# Altium PCB betrusted_dvt1b-dfm.PcbDoc (part 2 of 6)
Units mm, origin at the board's own origin, x right, y up, seen from the top; angles counter-clockwise.
Board outline 62.8 x 53.83 mm, 6 copper layers (L1, L2, L3, L6, L7, L8), stack 0.693 mm thick; 407 components, 299 nets, 1950 pads, 2038 vias.
Unrouted connection lines stored in the file: 1.
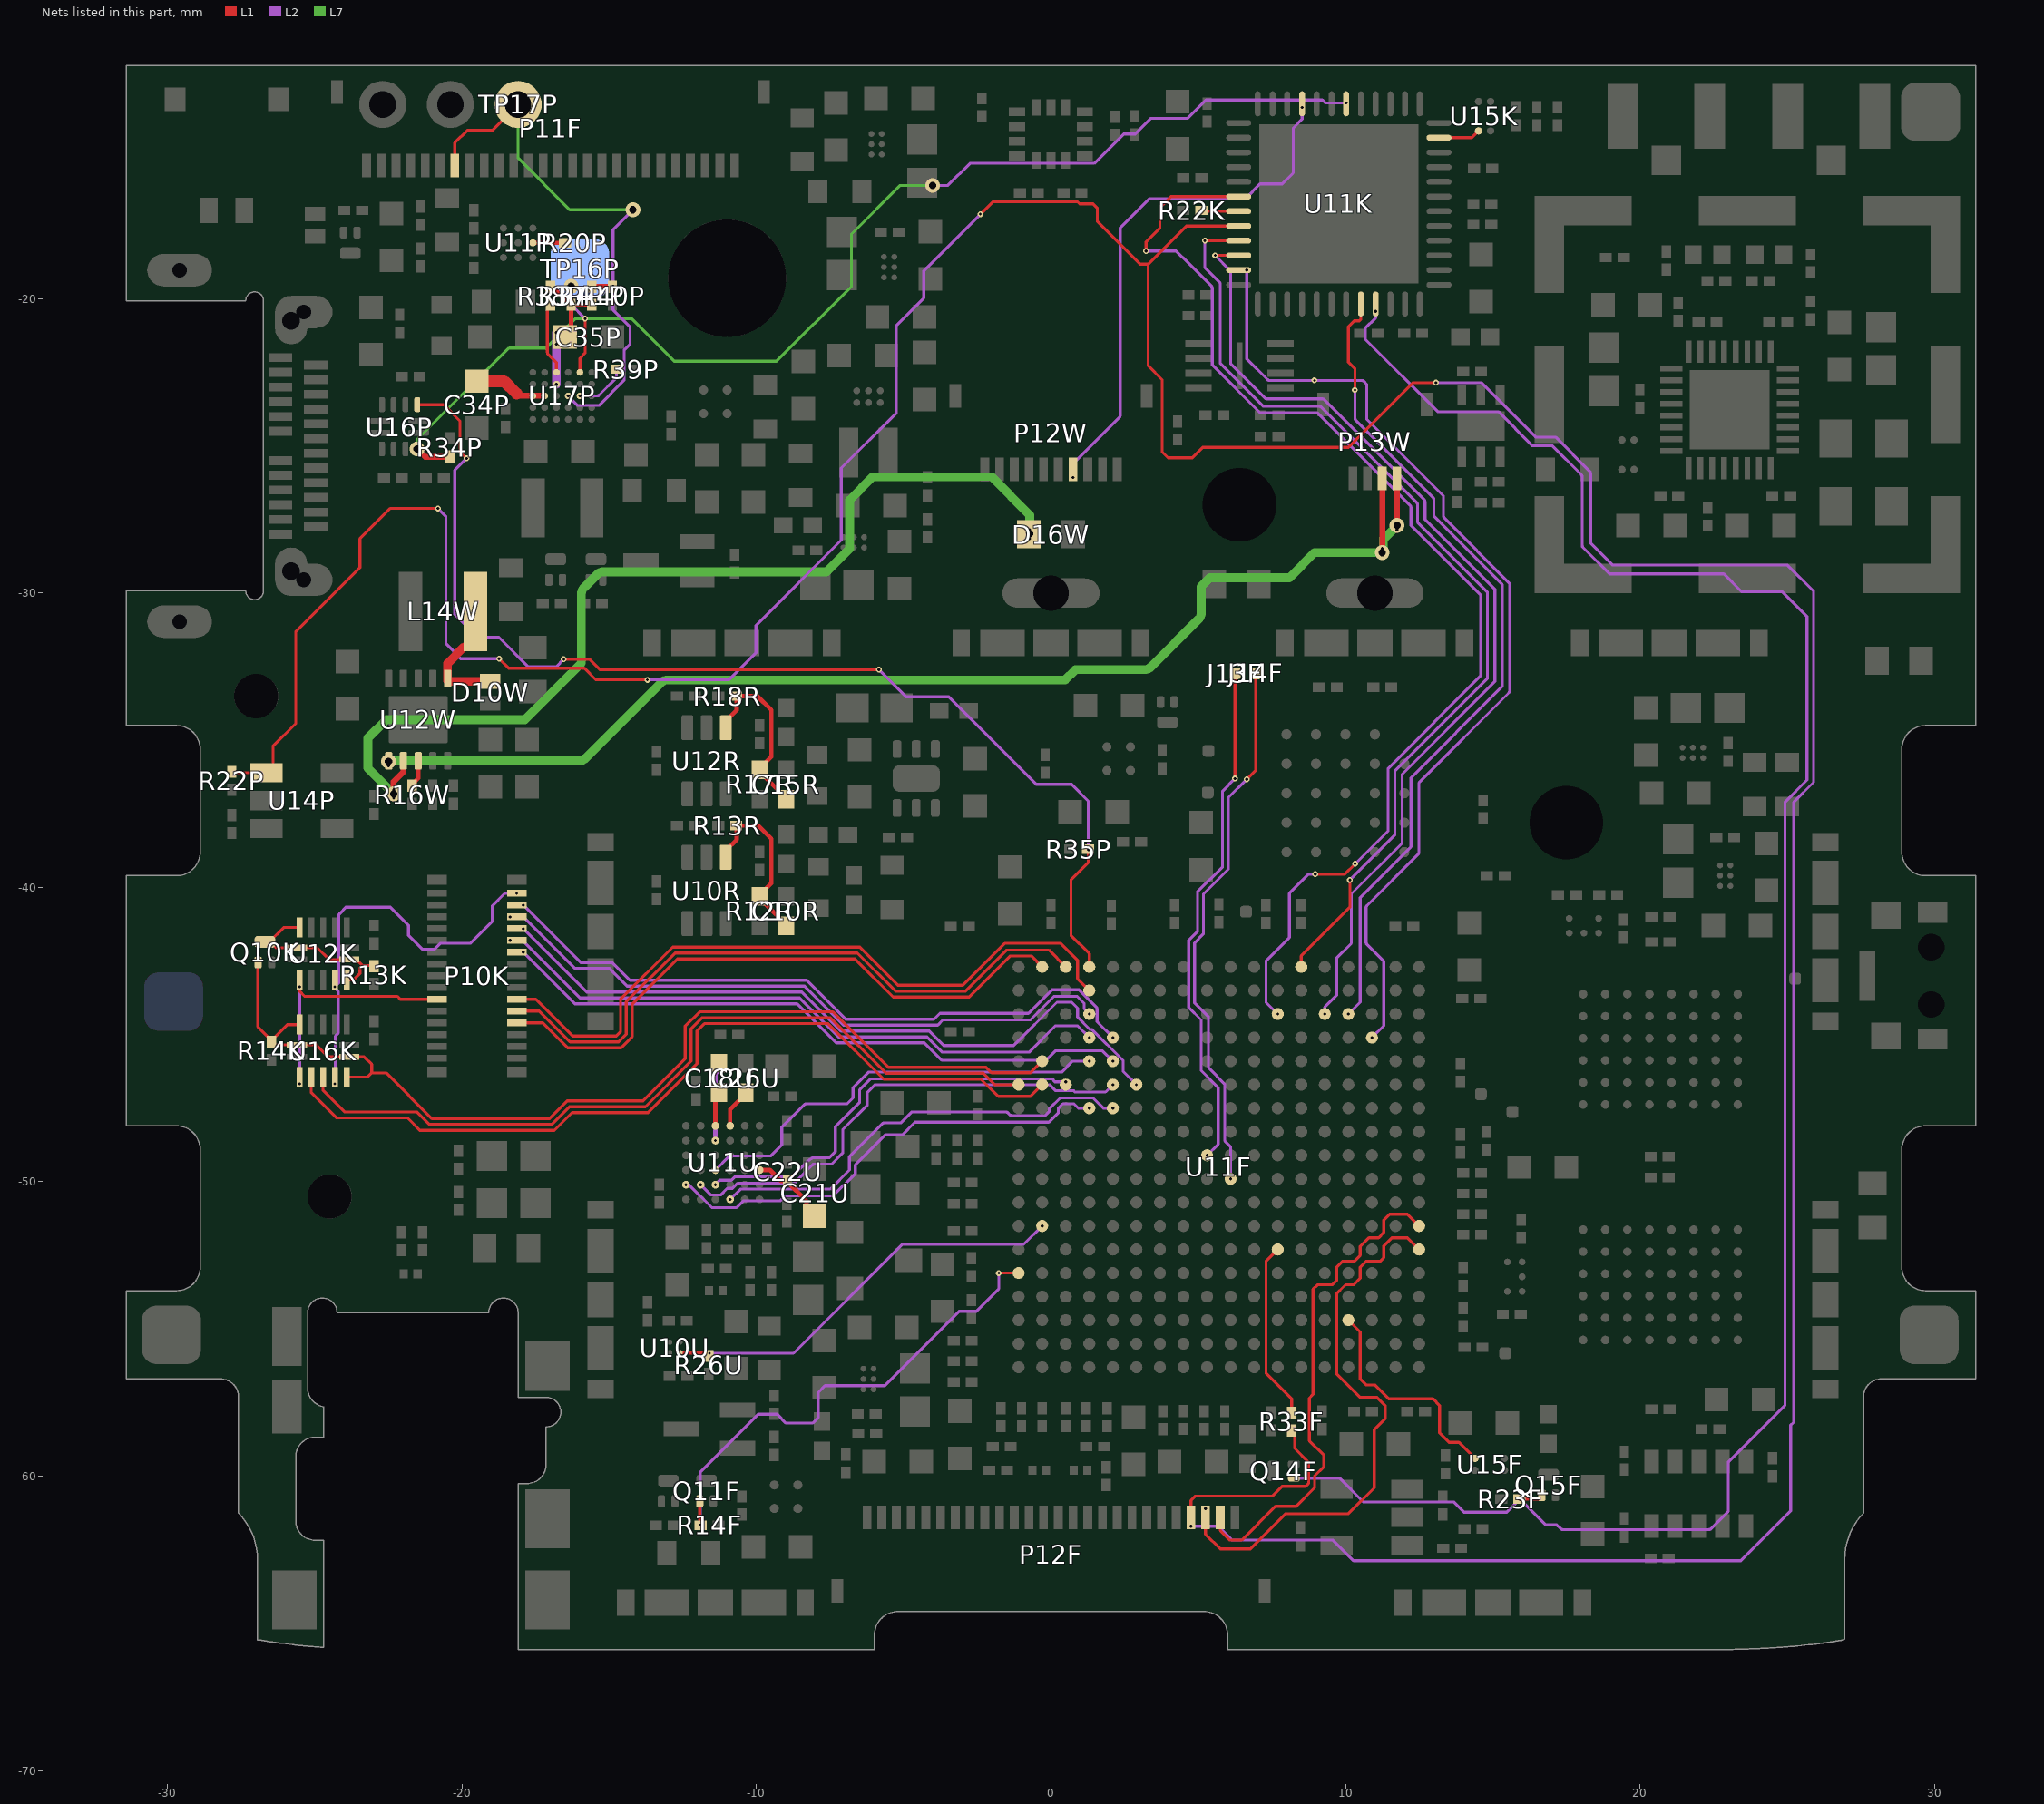
[diagram p6: the nets of this part, all layers, seen from the top]

## Footprints (in the part's own frame and the unit in brackets; to place one, negate y for a bottom-side part, rotate by r counter-clockwise, add the part's x,y. Pads: shape width x height; smd on the part's side, far side on the other; paste and mask are expansions set on the pad) (continued)
D_X3DFN2_0201 [mm] "Molded Diode, 2-Leads, Body 0.62x0.32mm, IPC Medium Density"
  rect 0.28x0.3 smd paste-1 mask+0: 1(-0.235,0) 2(0.235,0)
  silkscreen extent 0.58,-0.05 0.68,0.05, body extent -0.52,-0.18 0.52,0.18, height 0.45
DCK0006A_N [mm] "SOT23, 6-Leads, Body 2.15x1.4mm, Pitch 0.65mm, IPC Medium Density"
  rrect25% 0.85x0.4 smd: 1(-1.125,0.65) 2(-1.125,0) 3(-1.125,-0.65) 4(1.125,-0.65) 5(1.125,0) 6(1.125,0.65)
  silkscreen extent -1.25,-1.1 0.3,1.53, body extent -1.14,-1 1.14,1, height 0.94
DSC0010A_V [mm] "SON, 10-Leads, Body 3x3mm, Pitch 0.5mm, Thermal Pad 2.0x1.6mm, TI Recommended"
  rrect40% 0.6x0.25 smd: 1(-1.4,1) 2(-1.4,0.5) 3(-1.4,0) 4(-1.4,-0.5) 5(-1.4,-1) 6(1.4,-1) 7(1.4,-0.5) 8(1.4,0) 9(1.4,0.5) 10(1.4,1)
  rrect6% 1.6x2 smd paste-0.825: 11(0,0)
  silkscreen extent -1.7,-1.7 1.7,1.7, body extent -1.55,-1.55 1.55,1.55, height 0.8
HRS_DF40C-30DP-0.4V(51) [mm] "0.4mm Pitch, Board to Board Connector"
  rect 0.35x0.66 smd mask+0.04: 0(-3.26,-1.355) 0(-3.26,1.355) 0(3.26,1.355) 0(3.26,-1.355)
  rect 0.23x0.66 smd mask+0.04: 1(-2.8,-1.355) 2(-2.4,-1.355) 3(-2,-1.355) 4(-1.6,-1.355) 5(-1.2,-1.355) 6(-0.8,-1.355) 7(-0.4,-1.355) 8(0,-1.355) 9(0.4,-1.355) 10(0.8,-1.355) 11(1.2,-1.355) 12(1.6,-1.355) 13(2,-1.355) 14(2.4,-1.355) 15(2.8,-1.355) 16(-2.8,1.355) 17(-2.4,1.355) 18(-2,1.355) 19(-1.6,1.355) 20(-1.2,1.355) 21(-0.8,1.355) 22(-0.4,1.355) 23(0,1.355) 24(0.4,1.355) 25(0.8,1.355) 26(1.2,1.355) 27(1.6,1.355) 28(2,1.355) 29(2.4,1.355) 30(2.8,1.355)
  silkscreen extent -3.75,-1.93 3.75,1.5, body extent -3.76,-1.48 3.76,1.49, height 1.13
HRS_FH34SRJ-4S-0.5SH(50) [mm] "Top/bottom entry, back-lock 0.3mm thick FPC, 4 pins"
  rect 0.4x0.8 smd mask+0.07: 0(-1.75,-2.5) 0(1.75,-2.5)
  rect 0.3x0.8 smd mask+0.07: 1(0.75,0) 2(0.25,0) 3(-0.25,0) 4(-0.75,0)
  silkscreen extent -2,-3.03 2,0.77, body extent -2,-3.02 2,0.78, height 1
HRS_FH34SRJ-10S-0.5SH(50) [mm] "Top/bottom entry, back-lock 0.3mm thick FPC, 10 pins"
  rect 0.4x0.8 smd mask+0.07: 0(-3.25,-2.5) 0(3.25,-2.5)
  rect 0.3x0.8 smd mask+0.07: 1(2.25,0) 2(1.75,0) 3(1.25,0) 4(0.75,0) 5(0.25,0) 6(-0.25,0) 7(-0.75,0) 8(-1.25,0) 9(-1.75,0) 10(-2.25,0)
  silkscreen extent -3.5,-3.03 3.5,0.77, body extent -3.5,-3.02 3.5,0.78, height 1
HRS_FH34SRJ-26S-0.5SH(50) [mm] "Top/bottom entry, back-lock 0.3mm thick FPC, 26 pins"
  rect 0.4x0.8 smd mask+0.07: 0(-7.25,-2.5) 0(7.25,-2.5)
  rect 0.3x0.8 smd mask+0.07: 1(6.25,0) 2(5.75,0) 3(5.25,0) 4(4.75,0) 5(4.25,0) 6(3.75,0) 7(3.25,0) 8(2.75,0) 9(2.25,0) 10(1.75,0) 11(1.25,0) 12(0.75,0) 13(0.25,0) 14(-0.25,0) 15(-0.75,0) 16(-1.25,0) 17(-1.75,0) 18(-2.25,0) 19(-2.75,0) 20(-3.25,0) 21(-3.75,0) 22(-4.25,0) 23(-4.75,0) 24(-5.25,0) 25(-5.75,0) 26(-6.25,0)
  silkscreen extent -7.5,-3.03 7.5,0.77, body extent -7.5,-3.02 7.5,0.78, height 1
HRS_U.FL [mm] "6 GHz U.FL connector (ISM band antennas)"
  rect 1.05x2.2 smd: GND(-1.475,0) GND(1.475,0)
  rect 1x1 smd: SIG(0,-1.5)
  silkscreen extent -1.5,-1.6 1.5,1.5, body extent -1.5,-1.6 1.5,1.5, height 1.24
INDC1608AN [mm] "Chip Inductor, Body 1.6x0.8mm, IPC Medium Density"
  rect 1.1x1 smd: 1(-0.75,0) 2(0.75,0)
  body extent -0.9,-0.5 0.9,0.5, height 1
LGA-14_2500X3000X860_N [mm] "LGA, 14-Leads, Body 3.10x2.60mm, Pitch 0.50mm, IPC Medium Density"
  rect 0.55x0.3 smd: 1(-1.15,0.75) 2(-1.15,0.25) 3(-1.15,-0.25) 4(-1.15,-0.75) 8(1.15,-0.75) 9(1.15,-0.25) 10(1.15,0.25) 11(1.15,0.75)
  rect 0.3x0.55 smd: 5(-0.5,-0.9) 6(0,-0.9) 7(0.5,-0.9) 12(0.5,0.9) 13(0,0.9) 14(-0.5,0.9)
  silkscreen extent -2.12,1.63 -1.88,1.87, body extent -1.55,-1.3 1.55,1.3, height 0.86
MOLEX_0781710002 [mm] "Pico-EZmate 78171 2-pins"
  rect 0.7x0.8 smd mask+0.07: 0(-1.75,-3.775) 0(1.75,-3.775)
  rect 0.6x0.85 smd mask+0.07: 1(-0.6,0) 2(0.6,0)
  silkscreen extent -2.1,-4.38 2.1,0.15, body extent -2.1,-4.37 2.1,0.16, height 1.44
ONSC-SOT-23-3-318-08_V [mm] "SOT23, 3-Leads, Body 2.92x1.3mm, Pitch 0.95mm"
  rect 0.9x0.8 smd: 1(-1,0.95) 2(-1,-0.95) 3(1,0)
  silkscreen extent -1.12,-1.46 0.65,2.02, body extent -0.65,-1.46 0.65,1.46, height 1.11
QFN40P160X160X40-12N [mm] "QFN, 12-Leads, Body 1.60x1.60mm, Pitch 0.40mm, IPC Medium Density"
  rrect50% 0.7x0.2 smd mask+0.05: 1(-0.65,0.2) 2(-0.65,-0.2) 7(0.65,-0.2) 8(0.65,0.2)
  rrect50% 0.2x0.5 smd mask+0.05: 3(-0.6,-0.75) 4(-0.2,-0.75) 5(0.2,-0.75) 6(0.6,-0.75) 9(0.6,0.75) 10(0.2,0.75) 11(-0.2,0.75) 12(-0.6,0.75)
  silkscreen extent -1.25,0.7 -1.15,0.8, body extent -0.81,-0.81 0.81,0.81, height 0.4
QFN40P200X200X40-14L [mm] "QFN, 14-Leads, Body 2.00x2.00mm, Pitch 0.40mm, IPC High Density"
  rect 0.2x0.68 smd mask+0.05: 1(-0.8,-0.89) 2(-0.4,-0.89) 3(0,-0.89) 4(0.4,-0.89) 5(0.8,-0.89) 8(0.8,0.89) 9(0.4,0.89) 10(0,0.89) 11(-0.4,0.89) 12(-0.8,0.89)
  rect 0.68x0.2 smd mask+0.05: 6(0.89,-0.2) 7(0.89,0.2) 13(-0.89,0.2) 14(-0.89,-0.2)
  silkscreen extent -1.17,-1.52 -1.08,-1.43, body extent -1,-1 1,1, height 0.4
QFN40P400X400X90_HS-33N [mm] "QFN, 32-Leads, Body 4.00x4.00mm, Pitch 0.40mm, Thermal Pad 2.70x2.70mm, IPC Medium Density"
  rect 0.76x0.2 smd mask+0.06: 1(-1.98,1.4) 2(-1.98,1) 3(-1.98,0.6) 4(-1.98,0.2) 5(-1.98,-0.2) 6(-1.98,-0.6) 7(-1.98,-1) 8(-1.98,-1.4) 17(1.98,-1.4) 18(1.98,-1) 19(1.98,-0.6) 20(1.98,-0.2) 21(1.98,0.2) 22(1.98,0.6) 23(1.98,1) 24(1.98,1.4)
  rect 0.2x0.76 smd mask+0.06: 9(-1.4,-1.98) 10(-1,-1.98) 11(-0.6,-1.98) 12(-0.2,-1.98) 13(0.2,-1.98) 14(0.6,-1.98) 15(1,-1.98) 16(1.4,-1.98) 25(1.4,1.98) 26(1,1.98) 27(0.6,1.98) 28(0.2,1.98) 29(-0.2,1.98) 30(-0.6,1.98) 31(-1,1.98) 32(-1.4,1.98)
  rect 2.7x2.7 smd mask+0.07: 33(0,0)
  silkscreen extent -2.98,-2.2 2.2,2.2, body extent -2.05,-2.05 2.05,2.05, height 0.9
RESTAP-0603 [mm] "0603 Power tap, cut-trace style"
  rect 0.65x0.8 smd: 1(-0.75,0) 1(0.75,0)
  L1 region: -0.5,-0.2 0.5,-0.2 0.5,0.2 -0.5,0.2
  body extent -0.8,-0.4 0.8,0.4, height 0.8
SiTIME_CSP [mm] "SiTIME CSP"
  round 0.25 smd mask+0.05: 1(-0.205,0.5) 2(-0.205,-0.5) 3(0.205,-0.5) 4(0.205,0.5)
  silkscreen extent -0.58,0.83 -0.48,0.92, body extent -0.42,-0.77 0.42,0.77, height 0.6
SOD523 [mm] "SODFL, 2-Leads, Body 0.80x1.60mm, IPC Medium Density"
  rect 0.6x0.7 smd mask+0.07: 1(-0.7,0) 2(0.7,0)
  silkscreen extent 0.95,-0.4 1.25,0.65, body extent -0.8,-0.45 0.8,0.45, height 0.65
SON65P200X80_HS-7N [mm] "SON, 6-Leads, Body 2.00x2.00mm, Pitch 0.65mm, Thermal Pad 1.60x0.89mm, IPC Medium Density"
  rrect50% 0.9x0.7 on Top Paste: 0(0,0.42) 0(0,-0.42)
  rrect50% 0.6x0.3 smd mask+0.07: 1(-1,0.65) 2(-1,0) 3(-1,-0.65) 4(1,-0.65) 5(1,0) 6(1,0.65)
  rrect50% 0.9x1.6 smd paste-0.5 mask+0.07: 7(0,0)
  silkscreen extent -1.5,-1.2 1.05,1.25, body extent -1.13,-1.05 1.13,1.05, height 0.8
SOT23-5AN [mm] "SOT23, 5-Leads, Body 2.9x1.6mm, Pitch 0.95mm, Lead Span 2.8mm, IPC Medium Density"
  rect 1.1x0.65 smd mask+0.075: 1(-1.2,0.95) 2(-1.2,0) 3(-1.2,-0.95) 4(1.2,-0.95) 5(1.2,0.95)
  silkscreen extent -1.33,-1.55 0.25,1.95, body extent -0.9,-1.55 0.9,1.55, height 1.45
SOT323-3AN [mm] "SOT323, 3-Leads, Body 2.0x1.3mm, Pitch 0.65mm, Lead Span 2.1mm, IPC Medium Density"
  rect 1.2x0.5 smd: 1(-0.95,0.65) 2(-0.95,-0.65) 3(0.95,0)
  silkscreen extent -1.07,-1.1 0.7,1.57, body extent -0.7,-1.1 0.7,1.1, height 1
SOT883 [mm] "DFN, 3-Leads, Body 0.59x0.99mm, Pitch 0.65mm, IPC Medium Density"
  rrect50% 0.4x0.25 smd paste-0.02 mask+0.05: 1(-0.35,0.23) 2(-0.35,-0.23)
  rrect50% 0.4x0.7 smd paste-0.05 mask+0.05: 3(0.35,0)
  silkscreen extent -0.56,0.66 -0.46,0.76, body extent -0.51,-0.31 0.51,0.31, height 0.5
TE_1-2295018-2 [mm] "USB-C receptacle 24 position board cutout"
  oval 1.1x1.95 hole 0.5 slot 1.45 at 90 deg mask+0.07: 0(-4.55,4.22) 0(4.55,4.22)
  oval 1.6x1.1 hole 0.6 slot 1.1 at 0 deg mask+0.07: 0(-4.25,3.792) 0(4.25,3.792)
  rect 0.3x0.8 smd mask+0.07: A1(-2.75,4.63) A2(-2.25,4.63) A3(-1.75,4.63) A4(-1.25,4.63) A5(-0.75,4.63) A6(-0.25,4.63) A7(0.25,4.63) A8(0.75,4.63) A9(1.25,4.63) A10(1.75,4.63) A11(2.25,4.63) A12(2.75,4.63) B1(3,3.43) B2(2.5,3.43) B3(2,3.43) B4(1.5,3.43) B5(1,3.43) B6(0.5,3.43) B7(-0.5,3.43) B8(-1,3.43) B9(-1.5,3.43) B10(-2,3.43) B11(-2.5,3.43) B12(-3,3.43)
  oval 1.1x2.2 hole 0.5 slot 1.6 at 90 deg mask+0.07: MID(-5.97,0) MID(5.97,0)
  silkscreen extent -6.07,-3.2 6.07,4.9, body extent -6.07,-3.2 6.07,4.9, height 2.45
TI-DRV6-1600X1000TP_V [mm] "SON, 6-Leads, Body 2x2mm, Pitch 0.65mm, Thermal Pad 1X1.6mm"
  rect 0.7x0.3 smd: 1(-1.05,0.65) 2(-1.05,0) 3(-1.05,-0.65) 4(1.05,-0.65) 5(1.05,0) 6(1.05,0.65)
  rect 1x1.6 smd: 7(0,0)
  silkscreen extent -1.5,-1.05 1.05,1.1, body extent -1,-1 1,1, height 0.8
TI_YKE004 [mm] "DSBGA with SMD pads, 4-Leads, Body 0.65x0.65mmx0.45mm, Pitch 0.35mm"
  round 0.18 smd mask+0.04: A1(-0.175,0.175) A2(0.175,0.175) B1(-0.175,-0.175) B2(0.175,-0.175)
  silkscreen extent -0.48,0.38 -0.38,0.48, body extent -0.32,-0.32 0.32,0.32, height 0.45
TP_0.4x0.4_SMT [mm] "0.4x0.4mm SMT test point"
  rrect50% 0.4x0.4 smd mask+0.05: 1(0,0)
TP_2MM_SQ [mm] "2mm x 2mm square test pad"
  rrect50% 2x2 smd: 1(0,0)
UP5K_QFN127P600-8N [mm]
  oval 0.85x0.2 smd: 1(-3.4,2.75) 2(-3.4,2.25) 3(-3.4,1.75) 4(-3.4,1.25) 5(-3.4,0.75) 6(-3.4,0.25) 7(-3.4,-0.25) 8(-3.4,-0.75) 9(-3.4,-1.25) 10(-3.4,-1.75) 11(-3.4,-2.25) 12(-3.4,-2.75) 25(3.4,-2.75) 26(3.4,-2.25) 27(3.4,-1.75) 28(3.4,-1.25) 29(3.4,-0.75) 30(3.4,-0.25) 31(3.4,0.25) 32(3.4,0.75) 33(3.4,1.25) 34(3.4,1.75) 35(3.4,2.25) 36(3.4,2.75)
  oval 0.2x0.85 smd: 13(-2.75,-3.4) 14(-2.25,-3.4) 15(-1.75,-3.4) 16(-1.25,-3.4) 17(-0.75,-3.4) 18(-0.25,-3.4) 19(0.25,-3.4) 20(0.75,-3.4) 21(1.25,-3.4) 22(1.75,-3.4) 23(2.25,-3.4) 24(2.75,-3.4) 37(2.75,3.4) 38(2.25,3.4) 39(1.75,3.4) 40(1.25,3.4) 41(0.75,3.4) 42(0.25,3.4) 43(-0.25,3.4) 44(-0.75,3.4) 45(-1.25,3.4) 46(-1.75,3.4) 47(-2.25,3.4) 48(-2.75,3.4)
  rect 5.4x5.4 smd: PADDLE(0,0)
  silkscreen extent -4.42,-3.65 3.65,3.65, body extent -3.5,-3.5 3.5,3.5, height 1
USON-8 [mm] "SON, 8-Leads, Body 2.00x3.00mm, Pitch 0.50mm, Thermal Pad 1.60x0.20mm, IPC Medium Density"
  rect 0.9x0.25 smd mask+0.07: 1(-1.395,0.75) 2(-1.395,0.25) 3(-1.395,-0.25) 4(-1.395,-0.75) 5(1.395,-0.75) 6(1.395,-0.25) 7(1.395,0.25) 8(1.395,0.75)
  rect 0.2x1.6 smd mask+0.07: 9(0,0)
  silkscreen extent -2,-1.2 1.55,1.25, body extent -1.55,-1.05 1.55,1.05, height 0.6
VISHAY_MICRO_FOOT_4_BUMP [mm] "BGA, 4-Leads, Body 1.56x1.56mmx0.60mm, Pitch 0.80mm"
  round 0.31 smd mask+0.07: 1(-0.4,0.4) 2(0.4,0.4) 3(0.4,-0.4) 4(-0.4,-0.4)
  silkscreen extent -0.93,0.84 -0.83,0.93, body extent -0.78,-0.78 0.78,0.78, height 0.6
WURTH_36X021312XS [mm] "EMC shielding cabinet"
  rect 1x3.3 smd mask+0.07: 1(-6.25,-5.58) 1(-6.25,0) 1(-6.25,5.58) 1(6.25,-5.58) 1(6.25,0) 1(6.25,5.58)
  rect 3.3x1 smd mask+0.07: 1(-5.1,-6.73) 1(-5.1,6.73) 1(0,6.73) 1(0,-6.73) 1(5.1,-6.73) 1(5.1,6.73)
  body extent -6.58,-7.06 6.58,7.06, height 2.7
WURTH_36900000 [mm] "EMC Sheilding Cabinet Clip"
  rect 0.6x0.9 smd mask+0.07: 1(-3.05,0) 1(3.05,0)
  rect 1.5x0.9 smd mask+0.07: 1(-1.65,0) 1(1.65,0)
  rect 1.2x0.9 smd mask+0.07: 1(0,0)
  body extent -3.25,-0.41 3.25,0.41, height 1.28
XOSC_3.2_2.5 [mm] "SMT crystal oscillator, 3.2x2.5mm"
  rect 1.3x1.1 smd: 1(-1.15,-0.95) 2(1.15,-0.95) 3(1.15,0.95) 4(-1.15,0.95)
  silkscreen extent -2.4,-2.05 -0.9,-0.7, body extent -1.6,-1.3 1.6,1.2, height 1.1
YPG0036AWAW [mm] "Micro SMD, 36-Leads, Body 3x3mm, Pitch 0.5mm, NSC Recommended"
  round 0.265 smd paste-0.132 mask+0.05: A1(-1.25,1.25) A2(-0.75,1.25) A3(-0.25,1.25) A4(0.25,1.25) A5(0.75,1.25) A6(1.25,1.25) B1(-1.25,0.75) B2(-0.75,0.75) B3(-0.25,0.75) B4(0.25,0.75) B5(0.75,0.75) B6(1.25,0.75) C1(-1.25,0.25) C2(-0.75,0.25) C3(-0.25,0.25) C4(0.25,0.25) C5(0.75,0.25) C6(1.25,0.25) D1(-1.25,-0.25) D2(-0.75,-0.25) D3(-0.25,-0.25) D4(0.25,-0.25) D5(0.75,-0.25) D6(1.25,-0.25) E1(-1.25,-0.75) E2(-0.75,-0.75) E3(-0.25,-0.75) E4(0.25,-0.75) E5(0.75,-0.75) E6(1.25,-0.75) F1(-1.25,-1.25) F2(-0.75,-1.25) F3(-0.25,-1.25) F4(0.25,-1.25) F5(0.75,-1.25) F6(1.25,-1.25)
  silkscreen extent -1.79,1.7 -1.7,1.79, body extent -1.64,-1.64 1.64,1.64, height 0.73
YZP0005ADAD [mm] "BGA, 5-Balls, Body 1.39x0.89mm, Pitch 0.5mm"
  round 0.23 smd mask+0.05: A1(-0.25,0.5) A2(0.25,0.5) B1(-0.25,0) C1(-0.25,-0.5) C2(0.25,-0.5)
  silkscreen extent -0.6,0.75 -0.5,0.85, body extent -0.45,-0.69 0.45,0.69, height 0.5

## Part data
C10F C10M C12K C12M C13K C14K C16M C17K C18K C20K C22P C23F C24F C25F C28F C31F C32F C41F C42F C43F C44F C48F C49F C50F C51F C56F C57F C58F C59F C60F C61F C62F C68F C72F C73F C74F: library part "Cap Semi", "Capacitor (Semiconductor SIM Model)", MPN=CL03A474KQ3NNNH, MYPN=C-474-6p3-X5R-0201, VENDOR=Samsung
C10K C11M C12F C12R C13F C13M C14W C16K C17M C17R C18M C19K C22U C22W C23U C26K C26P C27U C29U C31U C31W C32W C33F C33W C34U C36P C36U C65F C66F: library part "Cap Semi", "Capacitor (Semiconductor SIM Model)", MPN=CL03A104KQ3NNNC, MYPN=C-104-6p3-X5R-0201, VENDOR=Samsung
C10P C12P C25W C26W C27W C63F: library part "Cap Semi", "Capacitor (Semiconductor SIM Model)", MPN=CL10A105KA8NNNC, MYPN=C-105-25-X5R-0603, VENDOR=Samsung
C10R C15R: library part "Cap Semi", "Capacitor (Semiconductor SIM Model)", MPN=CL05B152KB5NNNC, MYPN=C-152-50-X7R-0402, VENDOR=Samsung
C10U C11U C15M C16U C18R C19U C21P C22F C23K C24K C24U C27F C28U C29W C30F C30U C30W C37F C37U C40F C47F C52F C55F C67F C71F: library part "Cap Semi", "Capacitor (Semiconductor SIM Model)", MPN=GRM033R60J105MEA2D, VENDOR=Murata
  C10U C11U C16U C19U: MYPN=C-105-6p3-X5R-0603
  C15M C18R C21P C22F C23K C24K C24U C27F C28U C29W C30F C30U C30W C37F C37U C40F C47F C52F C55F C67F C71F: MYPN=C-105-6p3-X5R-0201
C10W C12W: library part "Cap Semi", "Capacitor (Semiconductor SIM Model)", MPN=GRM0335C1H1R8BA01D, MYPN=C-1R8-50-NP0-0201, VENDOR=Murata
C11F C11K C12U C13R C14F C14M C15F C15K C15W C16F C17F C18F C18W C19F C19M C19P C20F C20M C20P C21F C21K C21U C21W C22K C23P C23W C24P C25P C26F C28P C29F C29P C30P C31P C32U C33P C33U C34P C35U C36F C37P C38F C38U C39F C45F C46F C53F C54F C64F: library part "Cap Semi", "Capacitor (Semiconductor SIM Model)", MPN=CL10A106MQ8NNNC, MYPN=C-106-6.3-X5R-0603, VENDOR=Samsung
C11R C16R: library part "Cap Semi", "Capacitor (Semiconductor SIM Model)", MPN=CL05C221JB5NNNC, MYPN=C-221-50-NP0-0402, VENDOR=Samsung
C11W C13W: library part "Cap Semi", "Capacitor (Semiconductor SIM Model)", MPN=GRM0335C1ER80BA01D, MYPN=C-0R8-25-NP0-0201, VENDOR=Murata
C14R: library part "Cap Semi", "Capacitor (Semiconductor SIM Model)", MPN=CL10A105KB8NNNC, MYPN=C-105-50-X5R-0603, VENDOR=Samsung
C14U C15U C17W C20W: library part "Cap Semi", "Capacitor (Semiconductor SIM Model)", MPN=GRM0335C1E120JA01D, MYPN=C-120-25-NP0-0201, VENDOR=Murata
C16W C19W C32P: library part "Cap Semi", "Capacitor (Semiconductor SIM Model)", MPN=GRM033C81A473KE05D, MYPN=C-473-10-X6S-0201, VENDOR=Murata
C18U C26U: library part "Cap Semi", "Capacitor (Semiconductor SIM Model)", MPN=CL05A225MQ5NNNC, MYPN=C-225-6p3-X5R-0402, VENDOR=Samsung
C24W C25K C27K C35F: library part "Cap Semi", "Capacitor (Semiconductor SIM Model)", MPN=GRM033R61E103KA12D, MYPN=C-103-25-X5R-0201, VENDOR=Murata
C27P C28W C34F: library part "Cap Semi", "Capacitor (Semiconductor SIM Model)", MPN=GRM0335C1E561JA01D, MYPN=C-561-25-NP0-0201, VENDOR=Murata
C35P: library part "Cap Semi", "Capacitor (Semiconductor SIM Model)", MPN=CL10A475KP8NNNC, MYPN=C-475-10-X5R-0603, VENDOR=Samsung
D10P D11P D11U D12P D12U: library part "D Zener", LatestRevisionDate=17-Jul-2002, LatestRevisionNote="Re-released for DXP Platform.", PackageDescription="Diode, Thru-Hole; 2 Leads; 0.7 in Pin Spacing", PackageReference=DIODE-0.7, Published=8-Jun-2000, Publisher="Altium Limited"
  D10P D11P D11U D12U: MPN=ESD7331MUT5G, MYPN=D-ESD7331MUT5G, VENDOR="ON Semi"
  D12P: MPN=CPDUR24V, MYPN=D-CPDUR24V, VENDOR="Comchip Technology"
D10R D11R: library part "D Zener", "Zener Diode", LatestRevisionDate=17-Jul-2002, LatestRevisionNote="Re-released for DXP Platform.", MPN=BZT585B15T-7, MYPN=D-Z-15V-SOD523, PackageDescription="Diode, Thru-Hole; 2 Leads; 0.7 in Pin Spacing", PackageReference=DIODE-0.7, Published=8-Jun-2000, Publisher="Altium Limited", VENDOR="Diodes Inc"
D10U D10W: library part "Diode 11DQ03", "Schottky Rectifier", ComponentLink1Description="Manufacturer Link", ComponentLink1URL=http://www.irf.com/, ComponentLink2Description=Datasheet, ComponentLink2URL=http://www.irf.com/product-info/datasheets/data/11dq03.pdf, MPN=DB2G42600L1, MYPN=D-SCHOTTKY-0402-CSP, VENDOR=Panasonic
D11W D12W D13W D14W D15W D16W: library part LED2, "White LED, 0603, 900mcd, 0.4mm", LatestRevisionDate=17-Jul-2002, LatestRevisionNote="Re-released for DXP Platform.", MPN=IN-S63AT5UW, MYPN=D-LED-WHT-0603-0.4mm, PackageReference=3.2X1.6X1.1, PackageVersion=Feb-2002, Published=8-Jun-2000, Publisher="Altium Limited", VENDOR=Inolux
J10F J10K J10M J10R J10U J10W J11F J11M J11P J12F J12M J12P J13F J13M J13P J14F J14M J14P J15M J15P J16M J16P J17M TP10P TP11P TP12P TP13P TP14P TP15P TP16P TP17P: library part CON1, "Connector", MPN=DNP, VENDOR=DNP
  J10F J10K J10M J10R J10U J10W J11F J11M J11P J12F J12M J12P J13F J13M J13P J14F J14M J14P J15M J15P J16M J16P J17M: MYPN=J-TP-PWRTAP-0603
  TP10P TP11P TP12P TP13P TP14P TP15P TP16P TP17P: MYPN="Built into PCB"
L10F L10U L11F L11U L12W L13W: library part "Inductor Iron", "Magnetic-Core Inductor", MPN=BLM18AG601SN1D, MYPN=L-BLM18AG601SN1D, VENDOR=Murata
L10K L10M L11P L12F L12P L13F: library part "Inductor Iron", "Magnetic-Core Inductor", MPN=TFM160808ALC-R47MTAA, MYPN=L-TFM160808ALC-R47MTAA, VENDOR=TDK
L10R: library part "Inductor Iron", "Magnetic-Core Inductor", MPN=MLZ1608M220WT000, MYPN=L-MLZ1608M220WT000, VENDOR=TDK
L10W L11W: library part "Inductor Iron", "Magnetic-Core Inductor", MPN=LQW15AN2N7C00, MYPN=L-LQW15AN2N7C00, VENDOR=Murata
L13P: library part "Inductor Iron", "Magnetic-Core Inductor", MPN=VLS201610CX-2R2M-1, MYPN=L-VLS201610CX-2R2M-1, VENDOR=TDK
L14P: library part "Inductor Iron", "Magnetic-Core Inductor", MPN=CIGW252010GL1R0MNE, MYPN=L-CIGW252010GL1R0MNE, VENDOR=Samsung
L14W: library part "Inductor Iron", "Magnetic-Core Inductor", MPN=LQH3NPN100MJRL, MYPN=L-LQH3NPN100MJRL, VENDOR=Murata
M10U: library part "Header 2", "Vibration motor, mid-mount 10mm", MPN=0781710002, LatestRevisionDate=17-Jul-2002, LatestRevisionNote="Re-released for DXP Platform.", MYPN=J-0781710002, Publisher="Altium Limited", VENDOR=Molex
P10K: library part "Header 15X2A", "Header, 15-Pin, Dual row", LatestRevisionDate=17-Jul-2002, LatestRevisionNote="Re-released for DXP Platform.", MPN=DF40C-30DP-0.4V(51), MYPN="J-DF40C-30DP-0.4V(51) or DF40JC-30DP-0.4V(53)", Publisher="Altium Limited", System=Connector, VENDOR=Hirose
P10P: library part USB_TYPE_C, MPN=1-2295018-2, MYPN=P-1-2295018-2, VENDOR="TE Connectivity AMP Connectors"
P10U: library part CUI_3.5MM_STEREO_MIC, "Mid mount audio jack", MPN=SJ-43504-SMT-TR, MYPN=J-3.5MM-MID-CUI, VENDOR=CUI
P10W P11W: library part BNC, "BNC Elbow Connector", MPN=P1163-0140R, LatestRevisionDate=17-Jul-2002, LatestRevisionNote="Re-released for DXP Platform.", MYPN=U.FL-R-SMT-1(10), Publisher="Altium Limited", VENDOR=Kaweei
P11F P12F: library part FPC-26, "26 Pin FPC header", MPN=FH34SRJ-26S-0.5SH(99), MYPN=J-FPC-0.5mm-26-0.3mm-T/B, VENDOR=Hirose
  P11F: System=Connector
P12W: library part "Header 10", "Header, 10-Pin", LatestRevisionDate=17-Jul-2002, LatestRevisionNote="Re-released for DXP Platform.", MPN=FH34SRJ-10S-0.5SH, MYPN=J-FH34SRJ-10S-0.5SH(50/99), Publisher="Altium Limited", VENDOR=Hirose
P13W: library part "Header 4", "4-pin FPC connector", MPN=FH34SRJ-4S-0.5SH(XX), LatestRevisionDate=17-Jul-2002, LatestRevisionNote="Re-released for DXP Platform.", MYPN=J-FH34SRJ-4S-0.5SH(99), Publisher="Altium Limited", VENDOR=HRS
Q10F Q10P Q10U: "P-channel 20V 6.2A 27mOhm @ -2.5V", MPN=SI8457DB-T1-E1, MYPN=Q-Si8457, VENDOR="Vishay Siliconix"
Q10K Q11F Q11P Q11U Q12F Q12P Q12U Q13F Q13P Q14F Q15F: library part MOSFET-N, "N-Channel MOSFET", LatestRevisionDate=17-Jul-2002, LatestRevisionNote="Re-released for DXP Platform.", PackageReference=E3, PackageVersion=1995/1996, Published=8-Jun-2000, Publisher="Altium Limited"
  Q10K Q11F Q11U Q12P Q12U Q13F Q13P Q14F Q15F: MPN=PMZ290UNE2, MYPN=Q-PMZ290UNE2, VENDOR=Nexperia
  Q11P Q12F: MPN=DMN67D8LW, MYPN=Q-DMN67D8LW, VENDOR="Diodes Inc"
R10F R10K R10M R10R R10U R10W R11K R11M R11P R11R R11U R11W R12F R12K R12M R12P R12U R12W R13F R13K R13M R13R R13U R14F R14K R14M R14P R14R R14U R14W R15F R15K R15P R15R R15W R16F R16K R16R R16W R17F R17K R18F R18K R18P R18R R18U R19F R19K R19P R19R R20F R20K R20P R20R R21F R21K R21P R22F R22K R22P R23F R23K R24F R24K R24P R25F R25P R26F R26P R26U R27F R27P R27U R28F R28P R29F R29P R30F R30P R31F R31P R32F R32P R33F R33P R34F R34P R35F R35P R36P R37P R38P R39P R40P R41P: library part Res1, "Resistor", MPN=ANY, VENDOR=ANY
  R10F R10U R13R R14K R18R R23F R24P: MYPN=R-224-1P-1_16W-0201
  R10K R10R R13K R14F R14W R15K R15R R20K R26P R26U R27P R27U R28F R34P R35P: MYPN=R-104-1P-1_16W-0201
  R10M R11M: MYPN=R-473-1P-1_16W-0201
  R10W R11K R11W R15W R16W R18P R20P R21K R22K R25P R27F R29P R30F R31F R34F R35F R36P R37P R38P R39P R40P R41P: MYPN=R-103-1P-1_16W-0201
  R11P: MYPN=R-8873-1P-1_16W-0201
  R11R R16R: MYPN=R-474-1P-1_16W-0402
  R11U R12M R14P R14U R17K R24K: MYPN=DNP
  R12F R12U R14M R16F R16K R19P R21P R23K R29F R33F: MYPN=R-0R0-1P-1_16W-0201
  R12K: MYPN=R-101-1P-1_16W-0402
  R12P R33P: MYPN=R-153-1P-1_16W-0201
  R12W R17F R18F R19F R22F R32F: MYPN=R-102-1P-1_16W-0201
  R13F: MYPN=R-331-1P-1_16W-0201
  R13M R13U: MYPN=R-222-1P-1_16W-0201
  R14R R19R: MYPN=R-203-1P-1_16W-0201
  R15F R18K R19K R22P R24F R25F R26F: MYPN=R-472-1P-1_16W-0201
  R15P R30P: MYPN=R-152-1P-1_16W-0201
  R18U: MYPN=R-564-1P-1_16W-0201
  R20F R21F: MYPN=R-470-1P-1_16W-0402
  R20R: MYPN=R-223-1P-1_16W-0402
  R28P: MYPN=R-512-1P-1_16W-0201
  R31P R32P: MYPN=R-220-1P-1_16W-0201
R11F: library part Res1, "Resistor", MPN=RC0402FR-0718K7L, MYPN=R-1872-1P-1_16W-0402, VENDOR=Yageo
R12R R17R: library part Res1, "Resistor", MPN=RMCF0402FT5M10, MYPN=R-515-1P-1_16W-0402, VENDOR=Stackpole
R23P: library part Res1, "Resistor", MPN=RC0402FR-07249KL, MYPN=R-2493-1P-1_16W-0402, VENDOR=Yageo
SW10K: library part "Header 5", MPN=KMS221GPLFS, LatestRevisionDate=17-Jul-2002, LatestRevisionNote="Re-released for DXP Platform.", MYPN=SW-KMS221GPLFS, Publisher="Altium Limited", VENDOR=C&K
T-SHIELD1 T-SHIELD2 T-SHIELD3 T-SHIELD4 T-SHIELD5 T-SHIELD6 T-SHIELD7 T-SHIELD8 T-SHIELD9 T-SHIELD10: library part CON1, "Connector", MPN=36900000, MYPN=J-36900000, VENDOR=Wurth
U10F: MPN=REF3012AIDBZT, MYPN=U-REF3012AIDBZR(T/R), VENDOR=TI
U10K: library part EN25P05-50GCP, "64Mbit SPI NOR FLASH", MPN=MX25R8035FZUIL0, MYPN=UMX25R8035FZUIL0, VENDOR=Macronix
U10M U11M: library part IS66WVE4M16, MPN=IS66WVE4M16EALL-70BLI, MYPN=U-IS66WVE4M16EALL-70BLI, VENDOR=ISSI
U10R U12R: library part CMP-0055-01099-3, "Single 1.8V, RRIO Operational Amplifiers with Shutdown, 6-pin SC-70, Pb-Free", Package Reference=DCK0006A, PackageTopMarking=A77*XTT, PowerWise=N, ComponentLink1Description="Datasheet URL", ComponentLink1URL=http://www.ti.com/general/docs/lit/getliterature.tsp?genericPartNumber=LMV981-N&fileType=pdf, CompType=Amplifiers, MPN=LMV981MG/NOPB, PackageDescription="Molded SC-70, 2 x 1.25 x .9mm, 6 Lead, 0.65mm Pitch", PinCount=6, RoHS=Y, VENDOR="Texas Instruments"
U10U: library part LP5907UVX, "Ultra low-noise 250mA LDO for RF and analog in DSBGA", MPN=LP5907UVX-2.2/NOPB, MYPN=ULP5907UVX-2.2, VENDOR=TI
U10W: library part WF200C(R), "Wifi Network Coprocessor", MPN=WF200C, MYPN=U-WF200C(R), VENDOR=SiLabs
U11F: library part XC7S50CSGA324, "Spartan 7 FPGA in CSGA324 package", MPN=XC7S50-L1CSGA324I, MYPN=U-XC7S50-CSGA324, VENDOR=XILINX
U11K: MPN=ICE40UP5K-SG48I, MYPN=U-ICE40UP5K-SG48I, VENDOR=Lattice
U11P: "System-Side Impedance Track Fuel Gauge with integrated Sense Resistor", MPN=bq27421YZFT-G1A, MYPN=bq27421YZF(T/R)-G1A, VENDOR=TI
U11R: "30V WLED driver with integrated power diode", MPN=TPS61158DRVR, MYPN=U-TPS61158DRVR, VENDOR=TI
U11U: library part AMP-AUDA-LM49352-36, MPN=LM49352RL/NOPB, MYPN=U-LM49352RL/NOPB, VENDOR=TI
U11W: library part SiT1532, "10ppm ultra low power 32.768 kHz replacement", MPN=SIT1532AI-J4-DCC-32.768E, MYPN=U-SIT1532AX-JX-DCC-32.768X, VENDOR=SiTime
U12F U13K: "Buck regulator, 4MHz, 0.6A, 0.8V-1.55V, low Iq", MPN=TPS62801YKAT, MYPN=U-TPS62801YKA(T/R), VENDOR=TI
U12K U16K: library part TS3A4751RGYR, "0.9 ohm low voltage, single supply, 4-channel SPST analog switch", MPN=TS3A4751RUCR, MYPN=U-TS3A4751RUCR, VENDOR=TI
U12M: library part MX66UM1G45G, "1.8V 1Gbit x1/x8 OctaFlash SPINOR", MPN=MX66UM1G45GXDI00, MYPN=U-MX66UM1G45GXDI00, VENDOR=Macronix
U12P U13F U13M U13P: "Buck regulator, 4MHz, 0.6A, 1.8V-3.3V, low Iq", MPN=TPS62802YKAR, MYPN=U-TPS62802YKA(T/R), VENDOR=TI
U14F U14P: library part BU42XXG, "Low voltage free delay time setting CMOS voltage detector IC", MPN=BU4217G-TR, MYPN=U-BU4217G-TR, VENDOR=Rohm
U14K: library part TI-TPS78225-Q1DRV6-1600X1000TP, "500nA Iq, 150mA LDO", MPN=TPS78225DRVT, MYPN=U-TPS78225DRV(T/R), VENDOR=TI
U14W: "iNEMO Inertial Module: Always-on 3D Accelerometer and 3D Gyroscope, 1.71 to 3.6 V, -40 to 85 degC, 14-Pin LGA, RoHS, Tape and Reel", Max Processing Temp=260, Operating Supply Voltage=1.8volt, Operating Temperature=-40to85C, Typical Supply Current=1.25Milliamps, Datasheet URL=http://www2.st.com/content/ccc/resource/technical/document/datasheet/a3/f5/4f/ae/8e/44/41/d7/DM00133076.pdf/files/DM00133076.pdf/jcr:content/translations/en.DM00133076.pdf, Datasheet Version="Rev. 8, 02/2016", Lead Finish=GoldOverNickel, Manufacturer URL=http://www.st.com/, Mounting=SurfaceMount, MPN=LSM6DS3TR, MYPN=U-LSM6DS3TR, Number of Axis=3, Output Type=Digital, Screening Level=Industrial, Sensing Distance=2|4|6|8|16G, Type=AccelerometerandGyroscope, VENDOR=STMicroelectronics
U15F U15K: library part SiT8021, "1 to 26 MHz micropower oscillator", MPN=SIT8021AI-J4-18S-12.000000E, MYPN=U-SIT8021AI-J4-18S-12.000000E, VENDOR=SiTime
U15P: "Synchronous Boost Converter with Ultra-Low Iq", MPN=TPS610997YFFR, MYPN=TPS610997YFFT(T/R), VENDOR=TI
U16F U17F: library part CMP-0859-01029-3, "Single Bilateral Analog Switch, YZP0005ADAD, LARGE T&R", F @ Nom Voltage(Max)(Mhz)=250, Generic Part Number=SN74AUC1G66, ICC @ Nom Voltage(Max)(mA)=0.01, Manufacturer="Texas Instruments", Operating Temperature Range(C)="-40 to 85", Rating=Catalog, tpd @ Nom Voltage(Max)(ns)=0.9,0.3,0.2,0.1, Voltage(Nom)(V)=0.8,1.2,1.5,1.8,2.5, 3-State Output=No, Bits(#)=1, Channels(#)=1, DatasheetVersion=SCES386L, Input Type=CMOS, Logic=True, MPN=SN74AUC1G66YZPR, MYPN=SN74AUC1G66YZPR, Output Drive (IOL/IOH)(Max)(mA)=9/-9, Output Type=CMOS, PackageReference=YZP0005ADAD, Schmitt Trigger=No, Sub-Family="Analog Switch", Switch Configuration=SPST, Technology Family=AUC, VCC(Max)(V)=2.7, VCC(Min)(V)=0.8, VENDOR=TI
U16P: "USB Type-C Configuration Channel Logic and Port Control", MPN=TUSB320LAI, MYPN=U-TUSB320LAI, VENDOR=TI
U17P: library part BQ25618, "I2C controlled 1-cell 1.5A battery charger with 20mA termination and 1A boost operation", MPN=BQ25618YFFT, MYPN=U-BQ25618YFF(T/R), VENDOR=TI
U18F: library part AB-RTCMC-32.768kHZ-B5ZE-S3, "RTC Module with I2C Bus", MPN=AB-RTCMC-32.768KHZ-B5ZE-S3-T, MYPN=U-AB-RTCMC-32.768KHZ-B5ZE-S3-T, VENDOR=Abracon
W-SHIELD: library part CON1, "Connector", MPN=3610213126S, MYPN=3610213126S, VENDOR=Wurth
Y10W: library part XTAL, "Crystal Oscillator", MPN=ECS-384-10-33B-CKY-TR, LatestRevisionDate=17-Jul-2002, LatestRevisionNote="Re-released for DXP Platform.", MYPN=X-38.4000-40OHM-10PF-10PPM, PackageDescription="Crystal, Thru-Hole; 2 Leads; Body 3.1 x 8.2 mm (Dia.xH)", PackageReference=R38, Published=8-Jun-2000, Publisher="Altium Limited", VENDOR=ECS
U12W: MPN=LM3509SDE/NOPB, MYPN=U-LM3509SDE/NOPB, VENDOR=TI